# KiCad board BACKUP_PCB.kicad_pcb (continued)
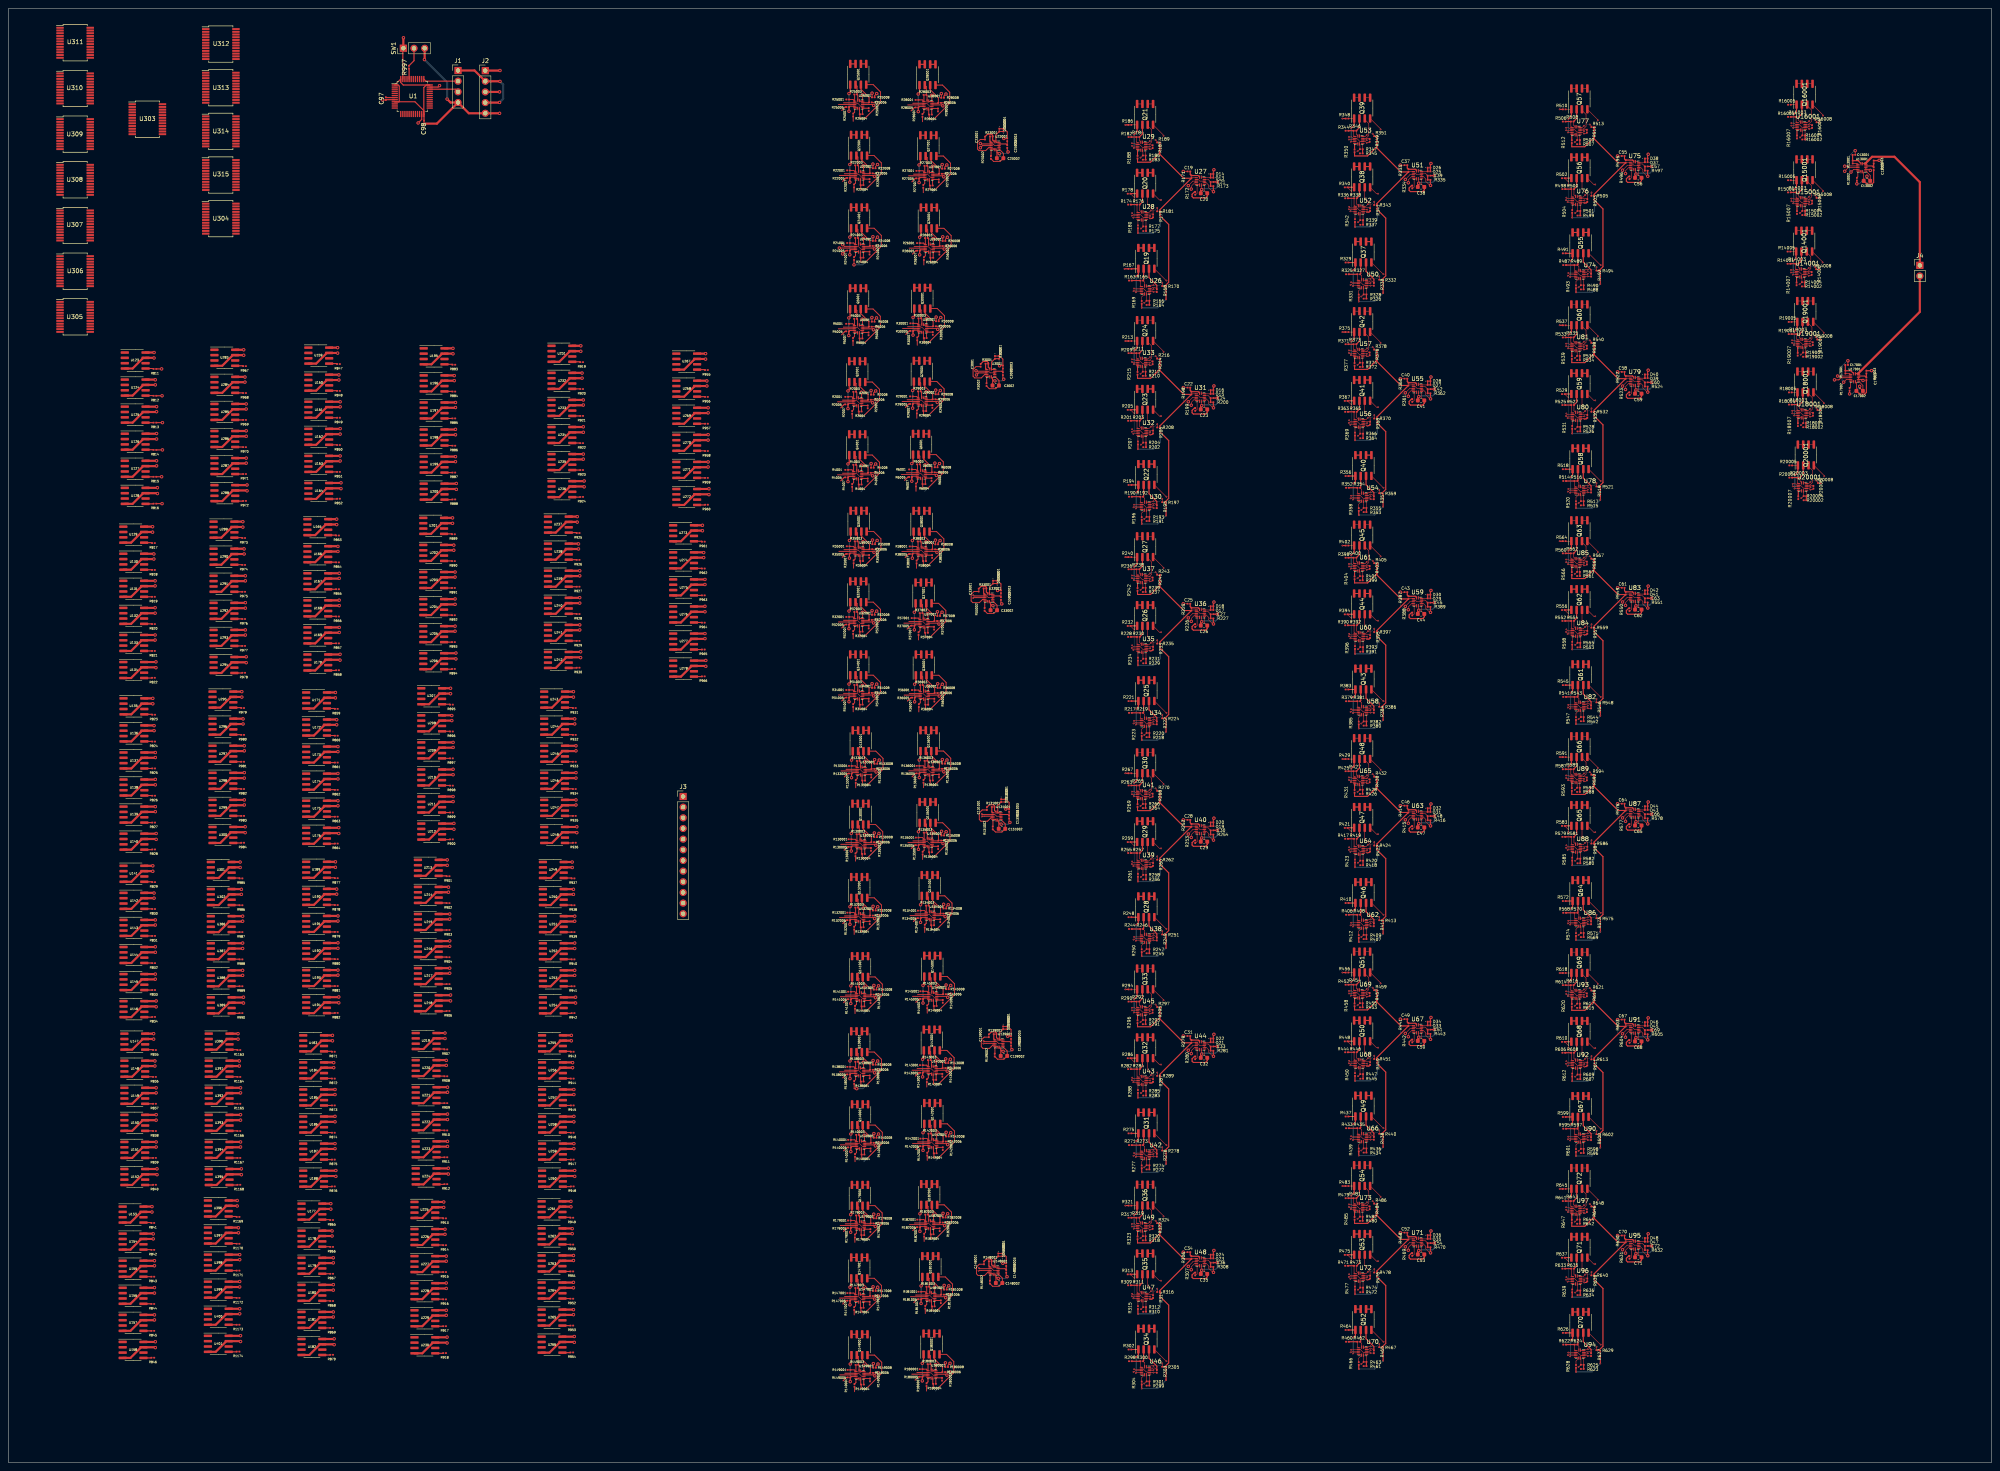
[diagram p0: board, top side]
## Placement (name value [footprint] x y rotation side) (continued)
R255  1k  [R_0201_0603Metric]  267.06 145.25 0 top
R256  1k  [R_0201_0603Metric]  270.66 138.95 0 top
R257  1k  [R_0201_0603Metric]  269.16 145.25 0 top
R258  1k  [R_0201_0603Metric]  270.66 140.05 180 top
R259  200k  [R_0201_0603Metric]  266.96 147.85 0 top
R260  200k  [R_0201_0603Metric]  272.66 142.55 90 top
R261  1k  [R_0201_0603Metric]  269.06 139.95 270 top
R262  1k  [R_0201_0603Metric]  273.96 143.65 0 top
R263  1k  [R_0201_0603Metric]  267.16 161.35 0 top
R264  1k  [R_0201_0603Metric]  270.56 155.95 0 top
R265  1k  [R_0201_0603Metric]  269.06 161.35 0 top
R266  1k  [R_0201_0603Metric]  270.56 156.95 180 top
R267  200k  [R_0201_0603Metric]  267.16 164.25 0 top
R268  200k  [R_0201_0603Metric]  272.56 159.05 90 top
R269  1k  [R_0201_0603Metric]  268.96 156.55 270 top
R270  1k  [R_0201_0603Metric]  273.96 160.05 0 top
R271  1k  [R_0201_0603Metric]  267.26 75.65 0 top
R272  1k  [R_0201_0603Metric]  271.46 69.85 0 top
R273  1k  [R_0201_0603Metric]  269.96 75.65 0 top
R274  1k  [R_0201_0603Metric]  271.46 70.85 180 top
R275  200k  [R_0201_0603Metric]  267.16 78.45 0 top
R276  200k  [R_0201_0603Metric]  273.56 73.25 90 top
R277  1k  [R_0201_0603Metric]  269.96 70.47 270 top
R278  1k  [R_0201_0603Metric]  275.16 74.35 0 top
R279  1k  [R_0201_0603Metric]  281.79 100.35 90 top
R280  1k  [R_0201_0603Metric]  282.69 96.45 90 top
R281  100k  [R_0201_0603Metric]  286.69 98.15 0 top
R282  1k  [R_0201_0603Metric]  267.06 93.75 0 top
R283  1k  [R_0201_0603Metric]  270.66 87.45 0 top
R284  1k  [R_0201_0603Metric]  269.16 93.75 0 top
R285  1k  [R_0201_0603Metric]  270.66 88.55 180 top
R286  200k  [R_0201_0603Metric]  266.96 96.35 0 top
R287  200k  [R_0201_0603Metric]  272.66 91.05 90 top
R288  1k  [R_0201_0603Metric]  269.06 88.45 270 top
R289  1k  [R_0201_0603Metric]  273.96 92.15 0 top
R290  1k  [R_0201_0603Metric]  267.16 109.85 0 top
R291  1k  [R_0201_0603Metric]  270.56 104.45 0 top
R292  1k  [R_0201_0603Metric]  269.06 109.85 0 top
R293  1k  [R_0201_0603Metric]  270.56 105.45 180 top
R294  200k  [R_0201_0603Metric]  267.16 112.75 0 top
R295  200k  [R_0201_0603Metric]  272.56 107.55 90 top
R296  1k  [R_0201_0603Metric]  268.96 105.05 270 top
R297  1k  [R_0201_0603Metric]  273.96 108.55 0 top
R298  1k  [R_0201_0603Metric]  267.26 24.15 0 top
R299  1k  [R_0201_0603Metric]  271.46 18.35 0 top
R300  1k  [R_0201_0603Metric]  269.96 24.15 0 top
R301  1k  [R_0201_0603Metric]  271.46 19.35 180 top
R302  200k  [R_0201_0603Metric]  267.16 26.95 0 top
R303  200k  [R_0201_0603Metric]  273.56 21.75 90 top
R304  1k  [R_0201_0603Metric]  269.96 18.97 270 top
R305  1k  [R_0201_0603Metric]  275.16 22.85 0 top
R306  1k  [R_0201_0603Metric]  281.79 48.85 90 top
R307  1k  [R_0201_0603Metric]  282.69 44.95 90 top
R308  100k  [R_0201_0603Metric]  286.69 46.65 0 top
R309  1k  [R_0201_0603Metric]  267.06 42.25 0 top
R310  1k  [R_0201_0603Metric]  270.66 35.95 0 top
R311  1k  [R_0201_0603Metric]  269.16 42.25 0 top
R312  1k  [R_0201_0603Metric]  270.66 37.05 180 top
R313  200k  [R_0201_0603Metric]  266.96 44.85 0 top
R314  200k  [R_0201_0603Metric]  272.66 39.55 90 top
R315  1k  [R_0201_0603Metric]  269.06 36.95 270 top
R316  1k  [R_0201_0603Metric]  273.96 40.65 0 top
R317  1k  [R_0201_0603Metric]  267.16 58.35 0 top
R318  1k  [R_0201_0603Metric]  270.56 52.95 0 top
R319  1k  [R_0201_0603Metric]  269.06 58.35 0 top
R320  1k  [R_0201_0603Metric]  270.56 53.95 180 top
R321  200k  [R_0201_0603Metric]  267.16 61.25 0 top
R322  200k  [R_0201_0603Metric]  272.56 56.05 90 top
R323  1k  [R_0201_0603Metric]  268.96 53.55 270 top
R324  1k  [R_0201_0603Metric]  273.96 57.05 0 top
R325  1k  [R_0201_0603Metric]  318.96 283.15 0 top
R326  1k  [R_0201_0603Metric]  323.16 277.35 0 top
R327  1k  [R_0201_0603Metric]  321.66 283.15 0 top
R328  1k  [R_0201_0603Metric]  323.16 278.35 180 top
R329  200k  [R_0201_0603Metric]  318.86 285.95 0 top
R330  200k  [R_0201_0603Metric]  325.26 280.75 90 top
R331  1k  [R_0201_0603Metric]  321.66 277.97 270 top
R332  1k  [R_0201_0603Metric]  326.86 281.85 0 top
R333  1k  [R_0201_0603Metric]  333.49 307.85 90 top
R334  1k  [R_0201_0603Metric]  334.39 303.95 90 top
R335  100k  [R_0201_0603Metric]  338.39 305.65 0 top
R336  1k  [R_0201_0603Metric]  318.76 301.25 0 top
R337  1k  [R_0201_0603Metric]  322.36 294.95 0 top
R338  1k  [R_0201_0603Metric]  320.86 301.25 0 top
R339  1k  [R_0201_0603Metric]  322.36 296.05 180 top
R340  200k  [R_0201_0603Metric]  318.66 303.85 0 top
R341  200k  [R_0201_0603Metric]  324.36 298.55 90 top
R342  1k  [R_0201_0603Metric]  320.76 295.95 270 top
R343  1k  [R_0201_0603Metric]  325.66 299.65 0 top
R344  1k  [R_0201_0603Metric]  318.86 317.35 0 top
R345  1k  [R_0201_0603Metric]  322.26 311.95 0 top
R346  1k  [R_0201_0603Metric]  320.76 317.35 0 top
R347  1k  [R_0201_0603Metric]  322.26 312.95 180 top
R348  200k  [R_0201_0603Metric]  318.86 320.25 0 top
R349  200k  [R_0201_0603Metric]  324.26 315.05 90 top
R350  1k  [R_0201_0603Metric]  320.66 312.55 270 top
R351  1k  [R_0201_0603Metric]  325.66 316.05 0 top
R352  1k  [R_0201_0603Metric]  318.96 232.28 0 top
R353  1k  [R_0201_0603Metric]  323.16 226.48 0 top
R354  1k  [R_0201_0603Metric]  321.66 232.28 0 top
R355  1k  [R_0201_0603Metric]  323.16 227.48 180 top
R356  200k  [R_0201_0603Metric]  318.86 235.08 0 top
R357  200k  [R_0201_0603Metric]  325.26 229.88 90 top
R358  1k  [R_0201_0603Metric]  321.66 227.1 270 top
R359  1k  [R_0201_0603Metric]  326.86 230.98 0 top
R360  1k  [R_0201_0603Metric]  333.49 256.98 90 top
R361  1k  [R_0201_0603Metric]  334.39 253.08 90 top
R362  100k  [R_0201_0603Metric]  338.39 254.78 0 top
R363  1k  [R_0201_0603Metric]  318.76 250.38 0 top
R364  1k  [R_0201_0603Metric]  322.36 244.08 0 top
R365  1k  [R_0201_0603Metric]  320.86 250.38 0 top
R366  1k  [R_0201_0603Metric]  322.36 245.18 180 top
R367  200k  [R_0201_0603Metric]  318.66 252.98 0 top
R368  200k  [R_0201_0603Metric]  324.36 247.68 90 top
R369  1k  [R_0201_0603Metric]  320.76 245.08 270 top
R370  1k  [R_0201_0603Metric]  325.66 248.78 0 top
R371  1k  [R_0201_0603Metric]  318.86 266.48 0 top
R372  1k  [R_0201_0603Metric]  322.26 261.08 0 top
R373  1k  [R_0201_0603Metric]  320.76 266.48 0 top
R374  1k  [R_0201_0603Metric]  322.26 262.08 180 top
R375  200k  [R_0201_0603Metric]  318.86 269.38 0 top
R376  200k  [R_0201_0603Metric]  324.26 264.18 90 top
R377  1k  [R_0201_0603Metric]  320.66 261.68 270 top
R378  1k  [R_0201_0603Metric]  325.66 265.18 0 top
R379  1k  [R_0201_0603Metric]  318.96 181.41 0 top
R380  1k  [R_0201_0603Metric]  323.16 175.61 0 top
R381  1k  [R_0201_0603Metric]  321.66 181.41 0 top
R382  1k  [R_0201_0603Metric]  323.16 176.61 180 top
R383  200k  [R_0201_0603Metric]  318.86 184.21 0 top
R384  200k  [R_0201_0603Metric]  325.26 179.01 90 top
R385  1k  [R_0201_0603Metric]  321.66 176.23 270 top
R386  1k  [R_0201_0603Metric]  326.86 180.11 0 top
R387  1k  [R_0201_0603Metric]  333.49 206.11 90 top
R388  1k  [R_0201_0603Metric]  334.39 202.21 90 top
R389  100k  [R_0201_0603Metric]  338.39 203.91 0 top
R390  1k  [R_0201_0603Metric]  318.76 199.51 0 top
R391  1k  [R_0201_0603Metric]  322.36 193.21 0 top
R392  1k  [R_0201_0603Metric]  320.86 199.51 0 top
R393  1k  [R_0201_0603Metric]  322.36 194.31 180 top
R394  200k  [R_0201_0603Metric]  318.66 202.11 0 top
R395  200k  [R_0201_0603Metric]  324.36 196.81 90 top
R396  1k  [R_0201_0603Metric]  320.76 194.21 270 top
R397  1k  [R_0201_0603Metric]  325.66 197.91 0 top
R398  1k  [R_0201_0603Metric]  318.86 215.61 0 top
R399  1k  [R_0201_0603Metric]  322.26 210.21 0 top
R400  1k  [R_0201_0603Metric]  320.76 215.61 0 top
R401  1k  [R_0201_0603Metric]  322.26 211.21 180 top
R402  200k  [R_0201_0603Metric]  318.86 218.51 0 top
R403  200k  [R_0201_0603Metric]  324.26 213.31 90 top
R404  1k  [R_0201_0603Metric]  320.66 210.81 270 top
R405  1k  [R_0201_0603Metric]  325.66 214.31 0 top
R406  1k  [R_0201_0603Metric]  318.96 130.54 0 top
R407  1k  [R_0201_0603Metric]  323.16 124.74 0 top
R408  1k  [R_0201_0603Metric]  321.66 130.54 0 top
R409  1k  [R_0201_0603Metric]  323.16 125.74 180 top
R410  200k  [R_0201_0603Metric]  318.86 133.34 0 top
R411  200k  [R_0201_0603Metric]  325.26 128.14 90 top
R412  1k  [R_0201_0603Metric]  321.66 125.36 270 top
R413  1k  [R_0201_0603Metric]  326.86 129.24 0 top
R414  1k  [R_0201_0603Metric]  333.49 155.24 90 top
R415  1k  [R_0201_0603Metric]  334.39 151.34 90 top
R416  100k  [R_0201_0603Metric]  338.39 153.04 0 top
R417  1k  [R_0201_0603Metric]  318.76 148.64 0 top
R418  1k  [R_0201_0603Metric]  322.36 142.34 0 top
R419  1k  [R_0201_0603Metric]  320.86 148.64 0 top
R420  1k  [R_0201_0603Metric]  322.36 143.44 180 top
R421  200k  [R_0201_0603Metric]  318.66 151.24 0 top
R422  200k  [R_0201_0603Metric]  324.36 145.94 90 top
R423  1k  [R_0201_0603Metric]  320.76 143.34 270 top
R424  1k  [R_0201_0603Metric]  325.66 147.04 0 top
R425  1k  [R_0201_0603Metric]  318.86 164.74 0 top
R426  1k  [R_0201_0603Metric]  322.26 159.34 0 top
R427  1k  [R_0201_0603Metric]  320.76 164.74 0 top
R428  1k  [R_0201_0603Metric]  322.26 160.34 180 top
R429  200k  [R_0201_0603Metric]  318.86 167.64 0 top
R430  200k  [R_0201_0603Metric]  324.26 162.44 90 top
R431  1k  [R_0201_0603Metric]  320.66 159.94 270 top
R432  1k  [R_0201_0603Metric]  325.66 163.44 0 top
R433  1k  [R_0201_0603Metric]  318.96 79.67 0 top
R434  1k  [R_0201_0603Metric]  323.16 73.87 0 top
R435  1k  [R_0201_0603Metric]  321.66 79.67 0 top
R436  1k  [R_0201_0603Metric]  323.16 74.87 180 top
R437  200k  [R_0201_0603Metric]  318.86 82.47 0 top
R438  200k  [R_0201_0603Metric]  325.26 77.27 90 top
R439  1k  [R_0201_0603Metric]  321.66 74.49 270 top
R440  1k  [R_0201_0603Metric]  326.86 78.37 0 top
R441  1k  [R_0201_0603Metric]  333.49 104.37 90 top
R442  1k  [R_0201_0603Metric]  334.39 100.47 90 top
R443  100k  [R_0201_0603Metric]  338.39 102.17 0 top
R444  1k  [R_0201_0603Metric]  318.76 97.77 0 top
R445  1k  [R_0201_0603Metric]  322.36 91.47 0 top
R446  1k  [R_0201_0603Metric]  320.86 97.77 0 top
R447  1k  [R_0201_0603Metric]  322.36 92.57 180 top
R448  200k  [R_0201_0603Metric]  318.66 100.37 0 top
R449  200k  [R_0201_0603Metric]  324.36 95.07 90 top
R450  1k  [R_0201_0603Metric]  320.76 92.47 270 top
R451  1k  [R_0201_0603Metric]  325.66 96.17 0 top
R452  1k  [R_0201_0603Metric]  318.86 113.87 0 top
R453  1k  [R_0201_0603Metric]  322.26 108.47 0 top
R454  1k  [R_0201_0603Metric]  320.76 113.87 0 top
R455  1k  [R_0201_0603Metric]  322.26 109.47 180 top
R456  200k  [R_0201_0603Metric]  318.86 116.77 0 top
R457  200k  [R_0201_0603Metric]  324.26 111.57 90 top
R458  1k  [R_0201_0603Metric]  320.66 109.07 270 top
R459  1k  [R_0201_0603Metric]  325.66 112.57 0 top
R460  1k  [R_0201_0603Metric]  318.96 28.8 0 top
R461  1k  [R_0201_0603Metric]  323.16 23 0 top
R462  1k  [R_0201_0603Metric]  321.66 28.8 0 top
R463  1k  [R_0201_0603Metric]  323.16 24 180 top
R464  200k  [R_0201_0603Metric]  318.86 31.6 0 top
R465  200k  [R_0201_0603Metric]  325.26 26.4 90 top
R466  1k  [R_0201_0603Metric]  321.66 23.62 270 top
R467  1k  [R_0201_0603Metric]  326.86 27.5 0 top
R468  1k  [R_0201_0603Metric]  333.49 53.5 90 top
R469  1k  [R_0201_0603Metric]  334.39 49.6 90 top
R470  100k  [R_0201_0603Metric]  338.39 51.3 0 top
R471  1k  [R_0201_0603Metric]  318.76 46.9 0 top
R472  1k  [R_0201_0603Metric]  322.36 40.6 0 top
R473  1k  [R_0201_0603Metric]  320.86 46.9 0 top
R474  1k  [R_0201_0603Metric]  322.36 41.7 180 top
R475  200k  [R_0201_0603Metric]  318.66 49.5 0 top
R476  200k  [R_0201_0603Metric]  324.36 44.2 90 top
R477  1k  [R_0201_0603Metric]  320.76 41.6 270 top
R478  1k  [R_0201_0603Metric]  325.66 45.3 0 top
R479  1k  [R_0201_0603Metric]  318.86 63 0 top
R480  1k  [R_0201_0603Metric]  322.26 57.6 0 top
R481  1k  [R_0201_0603Metric]  320.76 63 0 top
R482  1k  [R_0201_0603Metric]  322.26 58.6 180 top
R483  200k  [R_0201_0603Metric]  318.86 65.9 0 top
R484  200k  [R_0201_0603Metric]  324.26 60.7 90 top
R485  1k  [R_0201_0603Metric]  320.66 58.2 270 top
R486  1k  [R_0201_0603Metric]  325.66 61.7 0 top
R487  1k  [R_0201_0603Metric]  370.7 285.34 0 top
R488  1k  [R_0201_0603Metric]  374.9 279.54 0 top
R489  1k  [R_0201_0603Metric]  373.4 285.34 0 top
R490  1k  [R_0201_0603Metric]  374.9 280.54 180 top
R491  200k  [R_0201_0603Metric]  370.6 288.14 0 top
R492  200k  [R_0201_0603Metric]  377 282.94 90 top
R493  1k  [R_0201_0603Metric]  373.4 280.16 270 top
R494  1k  [R_0201_0603Metric]  378.6 284.04 0 top
R495  1k  [R_0201_0603Metric]  385.24 310.04 90 top
R496  1k  [R_0201_0603Metric]  386.14 306.14 90 top
R497  100k  [R_0201_0603Metric]  390.14 307.84 0 top
R498  1k  [R_0201_0603Metric]  370.5 303.44 0 top
R499  1k  [R_0201_0603Metric]  374.1 297.14 0 top
R500  1k  [R_0201_0603Metric]  372.6 303.44 0 top
R501  1k  [R_0201_0603Metric]  374.1 298.24 180 top
R502  200k  [R_0201_0603Metric]  370.4 306.04 0 top
R503  200k  [R_0201_0603Metric]  376.1 300.74 90 top
R504  1k  [R_0201_0603Metric]  372.5 298.14 270 top
R505  1k  [R_0201_0603Metric]  377.4 301.84 0 top
R506  1k  [R_0201_0603Metric]  370.6 319.54 0 top
R507  1k  [R_0201_0603Metric]  374 314.14 0 top
R508  1k  [R_0201_0603Metric]  372.5 319.54 0 top
R509  1k  [R_0201_0603Metric]  374 315.14 180 top
R510  200k  [R_0201_0603Metric]  370.6 322.44 0 top
R511  200k  [R_0201_0603Metric]  376 317.24 90 top
R512  1k  [R_0201_0603Metric]  372.4 314.74 270 top
R513  1k  [R_0201_0603Metric]  377.4 318.24 0 top
R514  1k  [R_0201_0603Metric]  370.7 233.89 0 top
R515  1k  [R_0201_0603Metric]  374.9 228.09 0 top
R516  1k  [R_0201_0603Metric]  373.4 233.89 0 top
R517  1k  [R_0201_0603Metric]  374.9 229.09 180 top
R518  200k  [R_0201_0603Metric]  370.6 236.69 0 top
R519  200k  [R_0201_0603Metric]  377 231.49 90 top
R520  1k  [R_0201_0603Metric]  373.4 228.71 270 top
R521  1k  [R_0201_0603Metric]  378.6 232.59 0 top
R522  1k  [R_0201_0603Metric]  385.24 258.59 90 top
R523  1k  [R_0201_0603Metric]  386.14 254.69 90 top
R524  100k  [R_0201_0603Metric]  390.14 256.39 0 top
R525  1k  [R_0201_0603Metric]  370.5 251.99 0 top
R526  1k  [R_0201_0603Metric]  374.1 245.69 0 top
R527  1k  [R_0201_0603Metric]  372.6 251.99 0 top
R528  1k  [R_0201_0603Metric]  374.1 246.79 180 top
R529  200k  [R_0201_0603Metric]  370.4 254.59 0 top
R530  200k  [R_0201_0603Metric]  376.1 249.29 90 top
R531  1k  [R_0201_0603Metric]  372.5 246.69 270 top
R532  1k  [R_0201_0603Metric]  377.4 250.39 0 top
R533  1k  [R_0201_0603Metric]  370.6 268.09 0 top
R534  1k  [R_0201_0603Metric]  374 262.69 0 top
R535  1k  [R_0201_0603Metric]  372.5 268.09 0 top
R536  1k  [R_0201_0603Metric]  374 263.69 180 top
R537  200k  [R_0201_0603Metric]  370.6 270.99 0 top
R538  200k  [R_0201_0603Metric]  376 265.79 90 top
R539  1k  [R_0201_0603Metric]  372.4 263.29 270 top
R540  1k  [R_0201_0603Metric]  377.4 266.79 0 top
R541  1k  [R_0201_0603Metric]  370.7 182.45 0 top
R542  1k  [R_0201_0603Metric]  374.9 176.65 0 top
R543  1k  [R_0201_0603Metric]  373.4 182.45 0 top
R544  1k  [R_0201_0603Metric]  374.9 177.65 180 top
R545  200k  [R_0201_0603Metric]  370.6 185.25 0 top
R546  200k  [R_0201_0603Metric]  377 180.05 90 top
R547  1k  [R_0201_0603Metric]  373.4 177.27 270 top
R548  1k  [R_0201_0603Metric]  378.6 181.15 0 top
R549  1k  [R_0201_0603Metric]  385.24 207.15 90 top
R550  1k  [R_0201_0603Metric]  386.14 203.25 90 top
R551  100k  [R_0201_0603Metric]  390.14 204.95 0 top
R552  1k  [R_0201_0603Metric]  370.5 200.55 0 top
R553  1k  [R_0201_0603Metric]  374.1 194.25 0 top
R554  1k  [R_0201_0603Metric]  372.6 200.55 0 top
R555  1k  [R_0201_0603Metric]  374.1 195.35 180 top
R556  200k  [R_0201_0603Metric]  370.4 203.15 0 top
R557  200k  [R_0201_0603Metric]  376.1 197.85 90 top
R558  1k  [R_0201_0603Metric]  372.5 195.25 270 top
R559  1k  [R_0201_0603Metric]  377.4 198.95 0 top
R560  1k  [R_0201_0603Metric]  370.6 216.65 0 top
R561  1k  [R_0201_0603Metric]  374 211.25 0 top
R562  1k  [R_0201_0603Metric]  372.5 216.65 0 top
R563  1k  [R_0201_0603Metric]  374 212.25 180 top
R564  200k  [R_0201_0603Metric]  370.6 219.55 0 top
R565  200k  [R_0201_0603Metric]  376 214.35 90 top
R566  1k  [R_0201_0603Metric]  372.4 211.85 270 top
R567  1k  [R_0201_0603Metric]  377.4 215.35 0 top
R568  1k  [R_0201_0603Metric]  370.7 131.01 0 top
R569  1k  [R_0201_0603Metric]  374.9 125.21 0 top
R570  1k  [R_0201_0603Metric]  373.4 131.01 0 top
R571  1k  [R_0201_0603Metric]  374.9 126.21 180 top
R572  200k  [R_0201_0603Metric]  370.6 133.81 0 top
R573  200k  [R_0201_0603Metric]  377 128.61 90 top
R574  1k  [R_0201_0603Metric]  373.4 125.83 270 top
R575  1k  [R_0201_0603Metric]  378.6 129.71 0 top
R576  1k  [R_0201_0603Metric]  385.24 155.71 90 top
R577  1k  [R_0201_0603Metric]  386.14 151.81 90 top
R578  100k  [R_0201_0603Metric]  390.14 153.51 0 top
R579  1k  [R_0201_0603Metric]  370.5 149.11 0 top
R580  1k  [R_0201_0603Metric]  374.1 142.81 0 top
R581  1k  [R_0201_0603Metric]  372.6 149.11 0 top
R582  1k  [R_0201_0603Metric]  374.1 143.91 180 top
R583  200k  [R_0201_0603Metric]  370.4 151.71 0 top
R584  200k  [R_0201_0603Metric]  376.1 146.41 90 top
R585  1k  [R_0201_0603Metric]  372.5 143.81 270 top
R586  1k  [R_0201_0603Metric]  377.4 147.51 0 top
R587  1k  [R_0201_0603Metric]  370.6 165.21 0 top
R588  1k  [R_0201_0603Metric]  374 159.81 0 top
R589  1k  [R_0201_0603Metric]  372.5 165.21 0 top
R590  1k  [R_0201_0603Metric]  374 160.81 180 top
R591  200k  [R_0201_0603Metric]  370.6 168.11 0 top
R592  200k  [R_0201_0603Metric]  376 162.91 90 top
R593  1k  [R_0201_0603Metric]  372.4 160.41 270 top
R594  1k  [R_0201_0603Metric]  377.4 163.91 0 top
R595  1k  [R_0201_0603Metric]  370.7 79.56 0 top
R596  1k  [R_0201_0603Metric]  374.9 73.76 0 top
R597  1k  [R_0201_0603Metric]  373.4 79.56 0 top
R598  1k  [R_0201_0603Metric]  374.9 74.76 180 top
R599  200k  [R_0201_0603Metric]  370.6 82.36 0 top
R600  200k  [R_0201_0603Metric]  377 77.16 90 top
R601  1k  [R_0201_0603Metric]  373.4 74.38 270 top
R602  1k  [R_0201_0603Metric]  378.6 78.26 0 top
R603  1k  [R_0201_0603Metric]  385.24 104.26 90 top
R604  1k  [R_0201_0603Metric]  386.14 100.36 90 top
R605  100k  [R_0201_0603Metric]  390.14 102.06 0 top
R606  1k  [R_0201_0603Metric]  370.5 97.66 0 top
R607  1k  [R_0201_0603Metric]  374.1 91.36 0 top
R608  1k  [R_0201_0603Metric]  372.6 97.66 0 top
R609  1k  [R_0201_0603Metric]  374.1 92.46 180 top
R610  200k  [R_0201_0603Metric]  370.4 100.26 0 top
R611  200k  [R_0201_0603Metric]  376.1 94.96 90 top
R612  1k  [R_0201_0603Metric]  372.5 92.36 270 top
R613  1k  [R_0201_0603Metric]  377.4 96.06 0 top
R614  1k  [R_0201_0603Metric]  370.6 113.76 0 top
R615  1k  [R_0201_0603Metric]  374 108.36 0 top
R616  1k  [R_0201_0603Metric]  372.5 113.76 0 top
R617  1k  [R_0201_0603Metric]  374 109.36 180 top
R618  200k  [R_0201_0603Metric]  370.6 116.66 0 top
R619  200k  [R_0201_0603Metric]  376 111.46 90 top
R620  1k  [R_0201_0603Metric]  372.4 108.96 270 top
R621  1k  [R_0201_0603Metric]  377.4 112.46 0 top
R622  1k  [R_0201_0603Metric]  370.7 28.12 0 top
R623  1k  [R_0201_0603Metric]  374.9 22.32 0 top
R624  1k  [R_0201_0603Metric]  373.4 28.12 0 top
R625  1k  [R_0201_0603Metric]  374.9 23.32 180 top
R626  200k  [R_0201_0603Metric]  370.6 30.92 0 top
R627  200k  [R_0201_0603Metric]  377 25.72 90 top
R628  1k  [R_0201_0603Metric]  373.4 22.94 270 top
R629  1k  [R_0201_0603Metric]  378.6 26.82 0 top
R630  1k  [R_0201_0603Metric]  385.24 52.82 90 top
R631  1k  [R_0201_0603Metric]  386.14 48.92 90 top
R632  100k  [R_0201_0603Metric]  390.14 50.62 0 top
R633  1k  [R_0201_0603Metric]  370.5 46.22 0 top
R634  1k  [R_0201_0603Metric]  374.1 39.92 0 top
R635  1k  [R_0201_0603Metric]  372.6 46.22 0 top
R636  1k  [R_0201_0603Metric]  374.1 41.02 180 top
R637  200k  [R_0201_0603Metric]  370.4 48.82 0 top
R638  200k  [R_0201_0603Metric]  376.1 43.52 90 top
R639  1k  [R_0201_0603Metric]  372.5 40.92 270 top
R640  1k  [R_0201_0603Metric]  377.4 44.62 0 top
R641  1k  [R_0201_0603Metric]  370.6 62.32 0 top
R642  1k  [R_0201_0603Metric]  374 56.92 0 top
R643  1k  [R_0201_0603Metric]  372.5 62.32 0 top
R644  1k  [R_0201_0603Metric]  374 57.92 180 top
R645  200k  [R_0201_0603Metric]  370.6 65.22 0 top
R646  200k  [R_0201_0603Metric]  376 60.02 90 top
R647  1k  [R_0201_0603Metric]  372.4 57.52 270 top
R648  1k  [R_0201_0603Metric]  377.4 61.02 0 top
R811  1k  [R_0201_0603Metric]  34.9 260.6 180 top
R812  1k  [R_0201_0603Metric]  34.9 254.2 180 top
R813  1k  [R_0201_0603Metric]  34.9 247.8 180 top
R814  1k  [R_0201_0603Metric]  34.9 241.3 180 top
R815  1k  [R_0201_0603Metric]  34.9 234.9 180 top
R816  1k  [R_0201_0603Metric]  34.9 228.5 180 top
R817  1k  [R_0201_0603Metric]  34.55 219.1 180 top
R818  1k  [R_0201_0603Metric]  34.55 212.7 180 top
R819  1k  [R_0201_0603Metric]  34.55 206.3 180 top
R820  1k  [R_0201_0603Metric]  34.55 199.8 180 top
R821  1k  [R_0201_0603Metric]  34.55 193.4 180 top
R822  1k  [R_0201_0603Metric]  34.55 187 180 top
R823  1k  [R_0201_0603Metric]  34.6 178.2 180 top
R824  1k  [R_0201_0603Metric]  34.6 171.8 180 top
R825  1k  [R_0201_0603Metric]  34.6 165.4 180 top
R826  1k  [R_0201_0603Metric]  34.6 158.9 180 top
R827  1k  [R_0201_0603Metric]  34.6 152.5 180 top
R828  1k  [R_0201_0603Metric]  34.6 146.1 180 top
R829  1k  [R_0201_0603Metric]  34.6 138.3 180 top
R830  1k  [R_0201_0603Metric]  34.6 131.9 180 top
R831  1k  [R_0201_0603Metric]  34.6 125.5 180 top
R832  1k  [R_0201_0603Metric]  34.6 119 180 top
R833  1k  [R_0201_0603Metric]  34.6 112.6 180 top
R834  1k  [R_0201_0603Metric]  34.6 106.2 180 top
R835  1k  [R_0201_0603Metric]  34.8 98.3 180 top
R836  1k  [R_0201_0603Metric]  34.8 91.9 180 top
R837  1k  [R_0201_0603Metric]  34.8 85.5 180 top
R838  1k  [R_0201_0603Metric]  34.8 79 180 top
R839  1k  [R_0201_0603Metric]  34.8 72.6 180 top
R840  1k  [R_0201_0603Metric]  34.8 66.2 180 top
R841  1k  [R_0201_0603Metric]  34.4 57.1 180 top
R842  1k  [R_0201_0603Metric]  34.4 50.7 180 top
R843  1k  [R_0201_0603Metric]  34.4 44.3 180 top
R844  1k  [R_0201_0603Metric]  34.4 37.8 180 top
R845  1k  [R_0201_0603Metric]  34.4 31.4 180 top
R846  1k  [R_0201_0603Metric]  34.4 25 180 top
R847  1k  [R_0201_0603Metric]  78.62 261.76 180 top
R848  1k  [R_0201_0603Metric]  78.62 255.37 180 top
R849  1k  [R_0201_0603Metric]  78.62 248.97 180 top
R850  1k  [R_0201_0603Metric]  78.62 242.47 180 top
R851  1k  [R_0201_0603Metric]  78.62 236.06 180 top
R852  1k  [R_0201_0603Metric]  78.62 229.66 180 top
R853  1k  [R_0201_0603Metric]  78.4 220.9 180 top
R854  1k  [R_0201_0603Metric]  78.4 214.5 180 top
R855  1k  [R_0201_0603Metric]  78.4 208.1 180 top
R856  1k  [R_0201_0603Metric]  78.4 201.6 180 top
R857  1k  [R_0201_0603Metric]  78.4 195.2 180 top
R858  1k  [R_0201_0603Metric]  78.4 188.8 180 top
R859  1k  [R_0201_0603Metric]  78.1 179.6 180 top
R860  1k  [R_0201_0603Metric]  78.1 173.2 180 top
R861  1k  [R_0201_0603Metric]  78.1 166.8 180 top
R862  1k  [R_0201_0603Metric]  78.1 160.3 180 top
R863  1k  [R_0201_0603Metric]  78.1 153.9 180 top
R864  1k  [R_0201_0603Metric]  78.1 147.5 180 top
R865  1k  [R_0201_0603Metric]  77 57.8 180 top
R866  1k  [R_0201_0603Metric]  77 51.4 180 top
R867  1k  [R_0201_0603Metric]  77 45 180 top
R868  1k  [R_0201_0603Metric]  77 38.5 180 top
R869  1k  [R_0201_0603Metric]  77 32.1 180 top
R870  1k  [R_0201_0603Metric]  77 25.7 180 top
R871  1k  [R_0201_0603Metric]  77.4 97.9 180 top
R872  1k  [R_0201_0603Metric]  77.4 91.5 180 top
R873  1k  [R_0201_0603Metric]  77.4 85.1 180 top
R874  1k  [R_0201_0603Metric]  77.4 78.6 180 top
R875  1k  [R_0201_0603Metric]  77.4 72.2 180 top
R876  1k  [R_0201_0603Metric]  77.4 65.8 180 top
R877  1k  [R_0201_0603Metric]  78.1 139.25 180 top
R878  1k  [R_0201_0603Metric]  78.1 132.85 180 top
R879  1k  [R_0201_0603Metric]  78.1 126.45 180 top
R880  1k  [R_0201_0603Metric]  78.1 119.95 180 top
R881  1k  [R_0201_0603Metric]  78.1 113.55 180 top
R882  1k  [R_0201_0603Metric]  78.1 107.15 180 top
R883  1k  [R_0201_0603Metric]  106.1 261.6 180 top
R884  1k  [R_0201_0603Metric]  106.1 255.2 180 top
R885  1k  [R_0201_0603Metric]  106.1 248.8 180 top
R886  1k  [R_0201_0603Metric]  106.1 242.3 180 top
R887  1k  [R_0201_0603Metric]  106.1 235.9 180 top
R888  1k  [R_0201_0603Metric]  106.1 229.5 180 top
R889  1k  [R_0201_0603Metric]  106 221.2 180 top
R890  1k  [R_0201_0603Metric]  106 214.8 180 top
R891  1k  [R_0201_0603Metric]  106 208.4 180 top
R892  1k  [R_0201_0603Metric]  106 201.9 180 top
R893  1k  [R_0201_0603Metric]  106 195.5 180 top
R894  1k  [R_0201_0603Metric]  106 189.1 180 top
R895  1k  [R_0201_0603Metric]  105.53 180.6 180 top
R896  1k  [R_0201_0603Metric]  105.53 174.21 180 top
R897  1k  [R_0201_0603Metric]  105.53 167.81 180 top
R898  1k  [R_0201_0603Metric]  105.53 161.31 180 top
R899  1k  [R_0201_0603Metric]  105.53 154.91 180 top
R900  1k  [R_0201_0603Metric]  105.53 148.5 180 top
R901  1k  [R_0201_0603Metric]  104.72 139.72 180 top
R902  1k  [R_0201_0603Metric]  104.72 133.31 180 top
R903  1k  [R_0201_0603Metric]  104.72 126.91 180 top
R904  1k  [R_0201_0603Metric]  104.72 120.41 180 top
R905  1k  [R_0201_0603Metric]  104.72 114.01 180 top
R906  1k  [R_0201_0603Metric]  104.72 107.62 180 top
R907  1k  [R_0201_0603Metric]  104.2 98.45 180 top
R908  1k  [R_0201_0603Metric]  104.2 92.05 180 top
R909  1k  [R_0201_0603Metric]  104.2 85.65 180 top
R910  1k  [R_0201_0603Metric]  104.2 79.15 180 top
R911  1k  [R_0201_0603Metric]  104.2 72.75 180 top
R912  1k  [R_0201_0603Metric]  104.2 66.35 180 top
R913  1k  [R_0201_0603Metric]  103.9 58.2 180 top
R914  1k  [R_0201_0603Metric]  103.9 51.8 180 top
R915  1k  [R_0201_0603Metric]  103.9 45.4 180 top
R916  1k  [R_0201_0603Metric]  103.9 38.9 180 top
R917  1k  [R_0201_0603Metric]  103.9 32.5 180 top
R918  1k  [R_0201_0603Metric]  103.9 26.1 180 top
R919  1k  [R_0201_0603Metric]  136.55 262.2 180 top
R920  1k  [R_0201_0603Metric]  136.55 255.8 180 top
R921  1k  [R_0201_0603Metric]  136.55 249.4 180 top
R922  1k  [R_0201_0603Metric]  136.55 242.9 180 top
R923  1k  [R_0201_0603Metric]  136.55 236.5 180 top
R924  1k  [R_0201_0603Metric]  136.55 230.1 180 top
R925  1k  [R_0201_0603Metric]  135.7 221.5 180 top
R926  1k  [R_0201_0603Metric]  135.7 215.1 180 top
R927  1k  [R_0201_0603Metric]  135.7 208.7 180 top
R928  1k  [R_0201_0603Metric]  135.7 202.2 180 top
R929  1k  [R_0201_0603Metric]  135.7 195.8 180 top
R930  1k  [R_0201_0603Metric]  135.7 189.4 180 top
R931  1k  [R_0201_0603Metric]  134.8 179.8 180 top
R932  1k  [R_0201_0603Metric]  134.8 173.4 180 top
R933  1k  [R_0201_0603Metric]  134.8 167 180 top
R934  1k  [R_0201_0603Metric]  134.8 160.5 180 top
R935  1k  [R_0201_0603Metric]  134.8 154.1 180 top
R936  1k  [R_0201_0603Metric]  134.8 147.7 180 top
R937  1k  [R_0201_0603Metric]  134.5 139.2 180 top
R938  1k  [R_0201_0603Metric]  134.5 132.8 180 top
R939  1k  [R_0201_0603Metric]  134.5 126.4 180 top
R940  1k  [R_0201_0603Metric]  134.5 119.9 180 top
R941  1k  [R_0201_0603Metric]  134.5 113.5 180 top
R942  1k  [R_0201_0603Metric]  134.5 107.1 180 top
R943  1k  [R_0201_0603Metric]  134.3 97.9 180 top
R944  1k  [R_0201_0603Metric]  134.3 91.5 180 top
R945  1k  [R_0201_0603Metric]  134.3 85.1 180 top
R946  1k  [R_0201_0603Metric]  134.3 78.6 180 top
R947  1k  [R_0201_0603Metric]  134.3 72.2 180 top
R948  1k  [R_0201_0603Metric]  134.3 65.8 180 top
R949  1k  [R_0201_0603Metric]  134.2 58.35 180 top
R950  1k  [R_0201_0603Metric]  134.2 51.95 180 top
R951  1k  [R_0201_0603Metric]  134.2 45.55 180 top
R952  1k  [R_0201_0603Metric]  134.2 39.05 180 top
R953  1k  [R_0201_0603Metric]  134.2 32.65 180 top
R954  1k  [R_0201_0603Metric]  134.2 26.25 180 top
R955  1k  [R_0201_0603Metric]  166.28 260.33 180 top
R956  1k  [R_0201_0603Metric]  166.28 253.94 180 top
R957  1k  [R_0201_0603Metric]  166.28 247.53 180 top
R958  1k  [R_0201_0603Metric]  166.28 241.03 180 top
R959  1k  [R_0201_0603Metric]  166.28 234.63 180 top
R960  1k  [R_0201_0603Metric]  166.28 228.24 180 top
R961  1k  [R_0201_0603Metric]  165.53 219.44 180 top
R962  1k  [R_0201_0603Metric]  165.53 213.03 180 top
R963  1k  [R_0201_0603Metric]  165.53 206.63 180 top
R964  1k  [R_0201_0603Metric]  165.53 200.13 180 top
R965  1k  [R_0201_0603Metric]  165.53 193.74 180 top
R966  1k  [R_0201_0603Metric]  165.53 187.34 180 top
R967  1k  [R_0201_0603Metric]  56.25 261.25 180 top
R968  1k  [R_0201_0603Metric]  56.25 254.85 180 top
R969  1k  [R_0201_0603Metric]  56.25 248.45 180 top
R970  1k  [R_0201_0603Metric]  56.25 241.95 180 top
R971  1k  [R_0201_0603Metric]  56.25 235.55 180 top
R972  1k  [R_0201_0603Metric]  56.25 229.15 180 top
R973  1k  [R_0201_0603Metric]  56.05 220.3 180 top
R974  1k  [R_0201_0603Metric]  56.05 213.9 180 top
R975  1k  [R_0201_0603Metric]  56.05 207.5 180 top
R976  1k  [R_0201_0603Metric]  56.05 201 180 top
R977  1k  [R_0201_0603Metric]  56.05 194.6 180 top
R978  1k  [R_0201_0603Metric]  56.05 188.2 180 top
R979  1k  [R_0201_0603Metric]  55.8 179.8 180 top
R980  1k  [R_0201_0603Metric]  55.8 173.4 180 top
R981  1k  [R_0201_0603Metric]  55.8 167 180 top
R982  1k  [R_0201_0603Metric]  55.8 160.5 180 top
R983  1k  [R_0201_0603Metric]  55.8 154.1 180 top
R984  1k  [R_0201_0603Metric]  55.8 147.7 180 top
R985  1k  [R_0201_0603Metric]  55.4 139.2 180 top
R986  1k  [R_0201_0603Metric]  55.4 132.8 180 top
R987  1k  [R_0201_0603Metric]  55.4 126.4 180 top
R988  1k  [R_0201_0603Metric]  55.4 119.9 180 top
R989  1k  [R_0201_0603Metric]  55.4 113.5 180 top
R990  1k  [R_0201_0603Metric]  55.4 107.1 180 top
R997  100k  [R_0201_0603Metric]  95.4 332.5 90 top
R1163  1k  [R_0201_0603Metric]  54.9 98.3 180 top
R1164  1k  [R_0201_0603Metric]  54.9 91.9 180 top
R1165  1k  [R_0201_0603Metric]  54.9 85.5 180 top
R1166  1k  [R_0201_0603Metric]  54.9 79 180 top
R1167  1k  [R_0201_0603Metric]  54.9 72.6 180 top
R1168  1k  [R_0201_0603Metric]  54.9 66.2 180 top
R1169  1k  [R_0201_0603Metric]  54.7 58.55 180 top
R1170  1k  [R_0201_0603Metric]  54.7 52.15 180 top
R1171  1k  [R_0201_0603Metric]  54.7 45.75 180 top
R1172  1k  [R_0201_0603Metric]  54.7 39.25 180 top
R1173  1k  [R_0201_0603Metric]  54.7 32.85 180 top
R1174  1k  [R_0201_0603Metric]  54.7 26.45 180 top
R2001  1k  [R_0201_0603Metric]  199.69 253.95 0 top
R2002  1k  [R_0201_0603Metric]  204.69 251.55 90 top
R2003  1k  [R_0201_0603Metric]  201.59 255.15 0 top
R2004  1k  [R_0201_0603Metric]  202.89 250.45 180 top
R2005  200k  [R_0201_0603Metric]  199.69 252.15 0 top
R2006  200k  [R_0201_0603Metric]  205.09 253.25 180 top
R2007  1k  [R_0201_0603Metric]  200.99 250.25 270 top
R2008  1k  [R_0201_0603Metric]  205.79 254.45 0 top
R3001  1k  [R_0201_0603Metric]  233.09 261.85 0 top
R3002  1k  [R_0201_0603Metric]  232.99 256.85 270 top
R3003  100k  [R_0201_0603Metric]  236.89 261.05 90 top
R4001  1k  [R_0201_0603Metric]  199.69 236.55 0 top
R4002  1k  [R_0201_0603Metric]  204.69 234.15 90 top
R4003  1k  [R_0201_0603Metric]  201.59 237.75 0 top
R4004  1k  [R_0201_0603Metric]  202.89 233.05 180 top
R4005  200k  [R_0201_0603Metric]  199.69 234.75 0 top
R4006  200k  [R_0201_0603Metric]  205.09 235.85 180 top
R4007  1k  [R_0201_0603Metric]  200.99 232.85 270 top
R4008  1k  [R_0201_0603Metric]  205.79 237.05 0 top
R5001  1k  [R_0201_0603Metric]  199.89 271.35 0 top
R5002  1k  [R_0201_0603Metric]  204.89 268.95 90 top
R5003  1k  [R_0201_0603Metric]  201.79 272.55 0 top
